# Altium PCB Fastino-DIOT.PCBDOC (part 21 of 22)
Units mm, origin at the board's own origin, x right, y up, seen from the top; angles counter-clockwise.
Board outline 222.63 x 100.1 mm, 8 copper layers (L1, L2, L3, P4, L5, L6, P7, L8), stack 1.563 mm thick; 1030 components, 787 nets, 3312 pads, 2498 vias.
Unrouted connection lines stored in the file: 424.
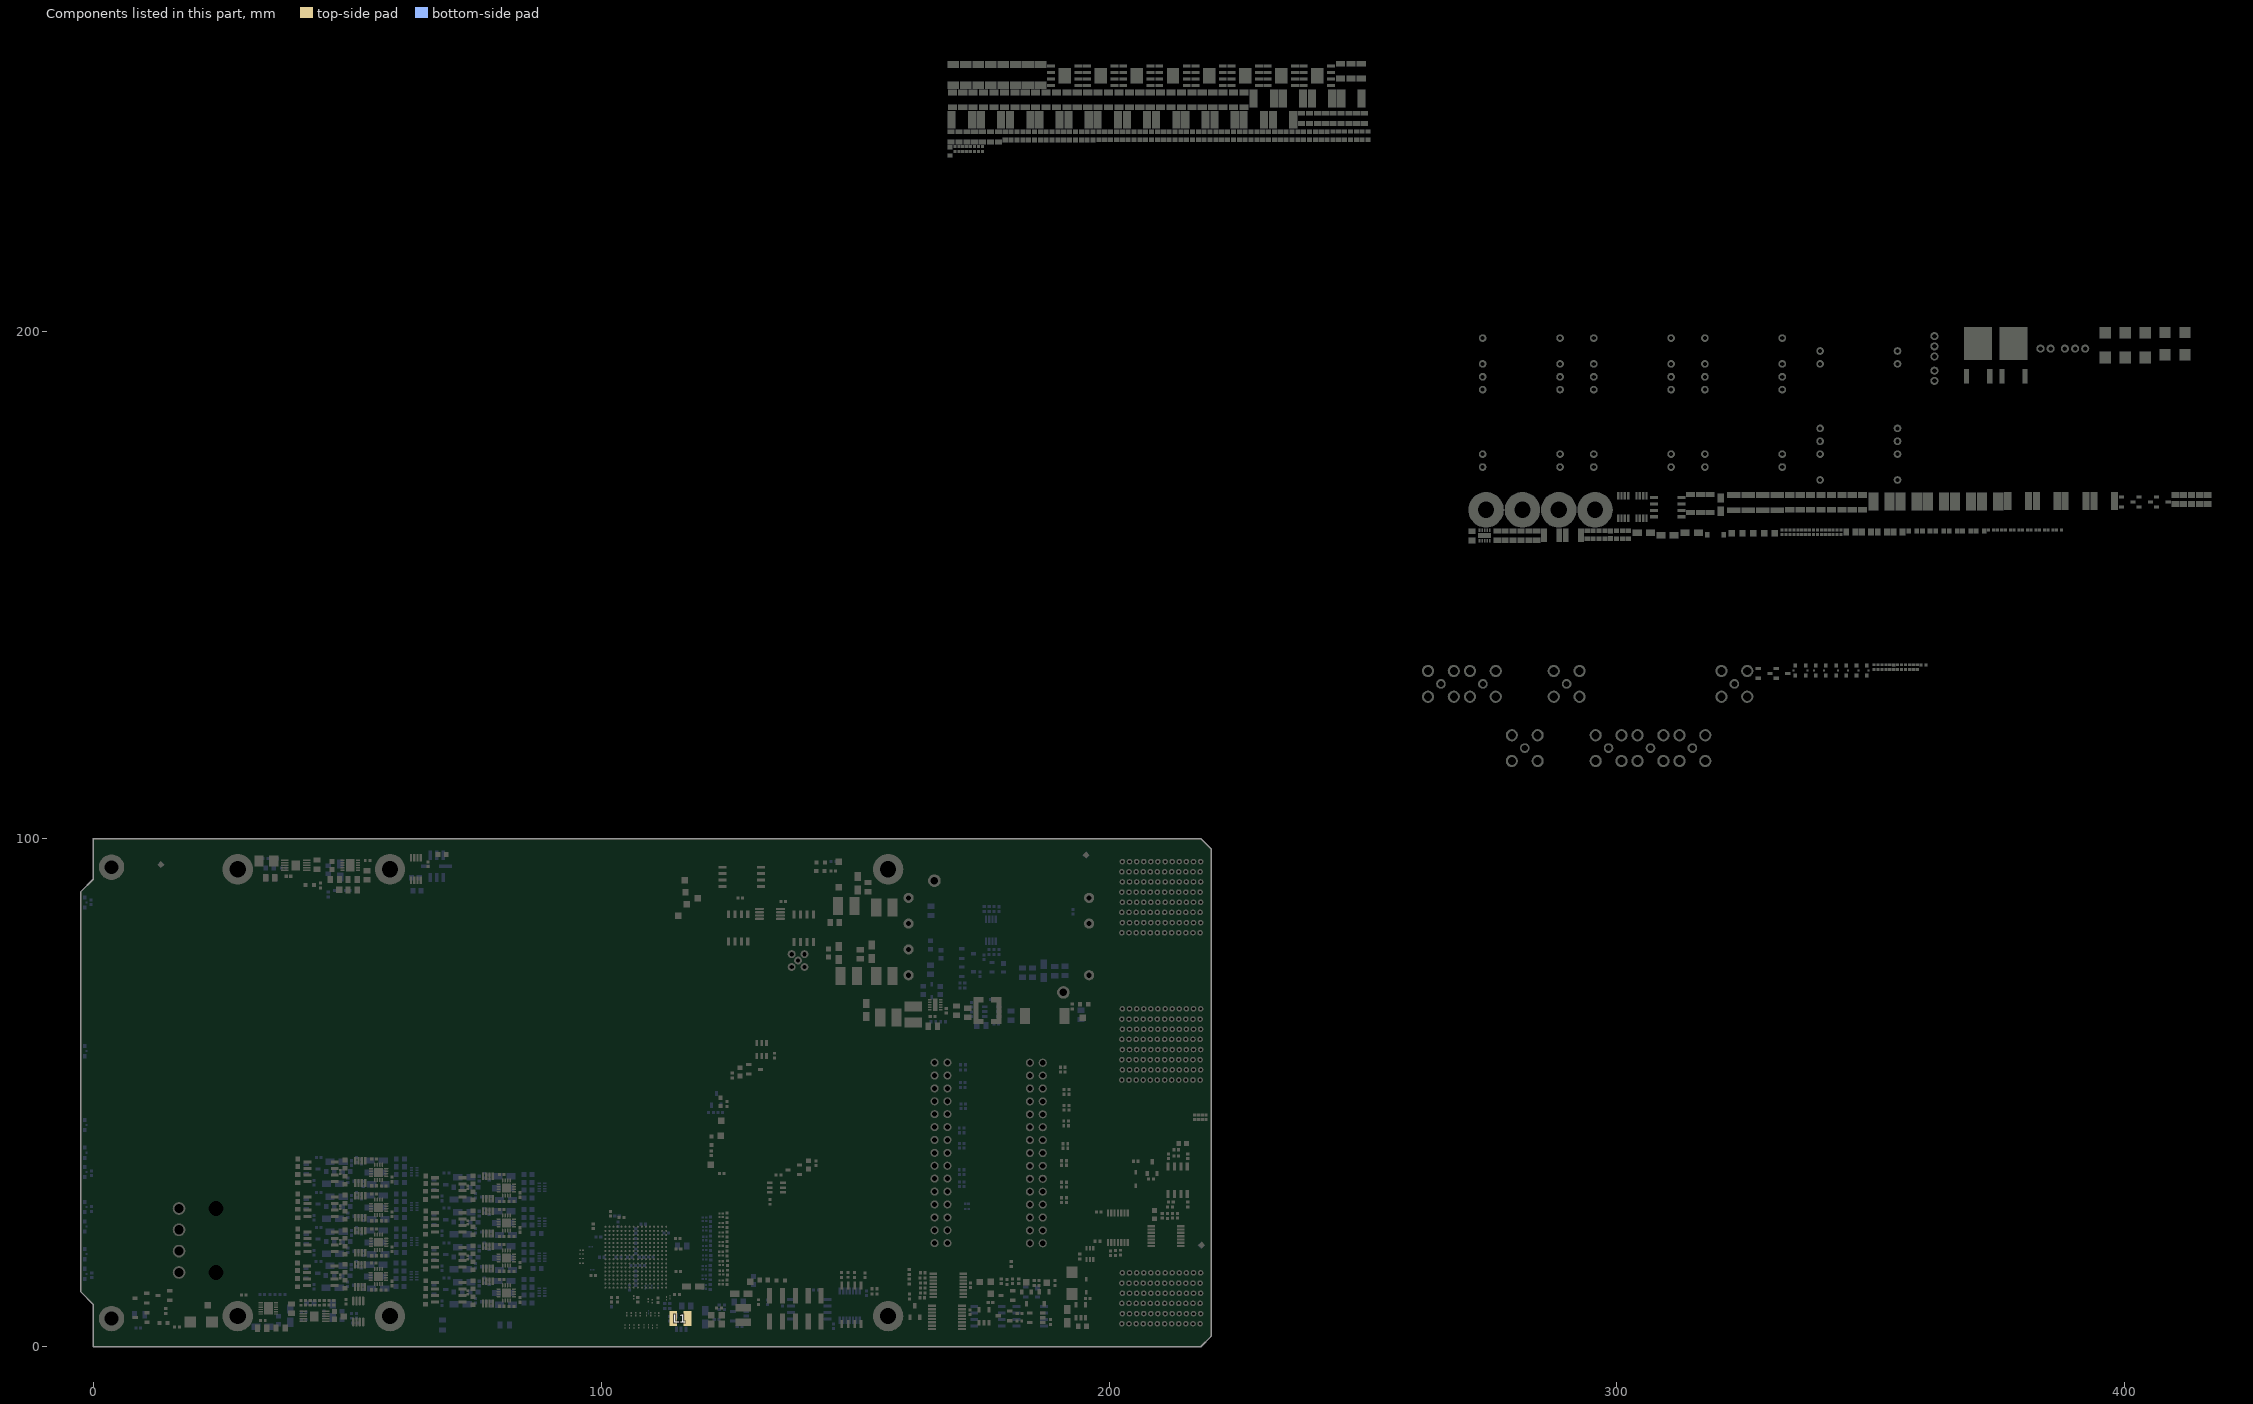
[diagram p27: the components of this part, seen from the top]

## Via types
v1: diameter 0.4, hole 0.2, L1 to L8, tented both sides, 1919 vias
v2: diameter 0.5, hole 0.2, L1 to L8, tented both sides, 270 vias
v3: diameter 0.4, hole 0.2, L1 to L8, 170 vias
v4: diameter 0.7, hole 0.4, L1 to L8, tented both sides, 110 vias
v5: diameter 0.7, hole 0.4, L1 to L8, 29 vias

## Nets (pads, with @x,y where several pads share a name; then routed paths per layer and width w, separated by ;. In a path a pad name is that pad's centre, name@x,y a point inside that pad or via, vN(x,y) a via of type N, cw(c..) or ccw(c..) an arc to the next point about the centre after c; other vN are vias at no path point) (continued)
copper on no net: (continued)
  L8 w0.203: 49.976,40.205 49.884,40.298 49.884,40.439 49.851,40.473 49.851,41.908 49.985,42.041 50.613,42.041 50.626,42.054 51.111,42.054 51.407,41.758 51.407,41.354 v2(51.464,41.298) ; 50.003,47.138 49.91,47.23 49.91,47.372 49.877,47.405 49.877,48.84 50.011,48.974 50.639,48.974 50.652,48.987 51.137,48.987 51.433,48.691 51.433,48.287 v2(51.49,48.23) ; 50.003,54.025 49.91,54.117 49.91,54.258 49.877,54.292 49.877,55.727 50.011,55.861 50.639,55.861 50.652,55.874 51.137,55.874 51.433,55.577 51.433,55.174 v2(51.49,55.117) ; 50.003,60.911 49.91,61.004 49.91,61.145 49.877,61.178 49.877,62.613 50.011,62.747 50.639,62.747 50.652,62.76 51.137,62.76 51.433,62.464 51.433,62.06 v2(51.49,62.003) ; 50.003,67.798 49.91,67.89 49.91,68.032 49.877,68.065 49.877,69.5 50.011,69.634 50.639,69.634 50.652,69.647 51.137,69.647 51.433,69.351 51.433,68.947 v2(51.49,68.89) ; 50.003,74.684 49.91,74.777 49.91,74.918 49.877,74.952 49.877,76.387 50.011,76.52 50.639,76.52 50.652,76.533 51.137,76.533 51.433,76.237 51.433,75.833 v2(51.49,75.777) ; 50.003,81.571 49.91,81.663 49.91,81.805 49.877,81.838 49.877,83.273 50.011,83.407 50.639,83.407 50.652,83.42 51.137,83.42 51.433,83.124 51.433,82.72 v2(51.49,82.663) ; 53.141,38.594 53.493,38.946 53.536,38.946 53.679,39.089 53.679,39.748 53.882,39.951 v1(54.36,39.951) v1@54.385,39.951 ; 53.167,45.527 53.519,45.879 53.562,45.879 53.705,46.022 53.705,46.681 53.908,46.884 v1(54.386,46.884) v1@54.411,46.884 ; 53.167,52.413 53.519,52.765 53.562,52.765 53.705,52.909 53.705,53.567 53.908,53.771 v1(54.386,53.771) v1@54.411,53.771 ; 53.167,59.3 53.519,59.652 53.562,59.652 53.705,59.795 53.705,60.454 53.908,60.657 v1(54.386,60.657) v1@54.411,60.657 ; 53.167,66.187 53.519,66.539 53.562,66.539 53.705,66.682 53.705,67.341 53.908,67.544 v1(54.386,67.544) v1@54.411,67.544 ; 53.167,73.073 53.519,73.425 53.562,73.425 53.705,73.568 53.705,74.227 53.908,74.43 v1(54.386,74.43) v1@54.411,74.43 ; 53.167,79.96 53.519,80.312 53.562,80.312 53.705,80.455 53.705,81.114 53.908,81.317 v1(54.386,81.317) v1@54.411,81.317 ; 53.832,7.185 53.832,6.666 v1(53.909,6.589) ; 53.894,8.225 55.545,8.225 56.667,9.347 60.3,9.347 61.629,8.018 61.629,4.758 61.417,4.546 61.417,4.451 61.282,4.316 v1(61.282,3.65) ; v3@55.503,41.78 55.537,41.814 55.537,42.266 56.794,43.522 57.069,43.522 ; v3@55.529,48.713 55.563,48.747 55.563,49.198 56.82,50.455 57.095,50.455 ; v3@55.529,55.599 55.563,55.634 55.563,56.085 56.82,57.341 57.095,57.341 ; v3@55.529,62.486 55.563,62.52 55.563,62.971 56.82,64.228 57.095,64.228 ; v3@55.529,69.373 55.563,69.407 55.563,69.858 56.82,71.115 57.095,71.115 ; v3@55.529,76.259 55.563,76.293 55.563,76.745 56.82,78.001 57.095,78.001 ; v3@55.529,83.146 55.563,83.18 55.563,83.631 56.82,84.888 57.095,84.888 ; v1(70.409,3.505) 71.247,3.505 71.619,3.877 71.619,5.105 ; 75.127,71.548 75.035,71.641 75.035,71.782 75.002,71.815 75.002,73.25 75.136,73.384 75.764,73.384 75.777,73.397 76.262,73.397 76.558,73.101 76.558,72.697 v2(76.615,72.64) ; 75.127,78.435 75.035,78.527 75.035,78.669 75.002,78.702 75.002,80.137 75.136,80.271 75.764,80.271 75.777,80.284 76.262,80.284 76.558,79.988 76.558,79.584 v2(76.615,79.527) ; 75.127,85.321 75.035,85.414 75.035,85.555 75.002,85.589 75.002,87.024 75.136,87.158 75.764,87.158 75.777,87.17 76.262,87.17 76.558,86.874 76.558,86.47 v2(76.615,86.414) ; 75.128,37.133 75.035,37.225 75.035,37.366 75.002,37.4 75.002,38.835 75.136,38.969 75.764,38.969 75.777,38.982 76.262,38.982 76.558,38.685 76.558,38.282 v2(76.615,38.225) ; 75.128,44.019 75.035,44.112 75.035,44.253 75.002,44.286 75.002,45.721 75.136,45.855 75.764,45.855 75.777,45.868 76.262,45.868 76.558,45.572 76.558,45.168 v2(76.615,45.111) ; 75.128,50.906 75.035,50.998 75.035,51.14 75.002,51.173 75.002,52.608 75.136,52.742 75.764,52.742 75.777,52.755 76.262,52.755 76.558,52.459 76.558,52.055 v2(76.615,51.998) ; 75.128,57.792 75.035,57.885 75.035,58.026 75.002,58.06 75.002,59.495 75.136,59.629 75.764,59.629 75.777,59.641 76.262,59.641 76.558,59.345 76.558,58.941 v2(76.615,58.885) ; 75.128,64.679 75.035,64.771 75.035,64.913 75.002,64.946 75.002,66.381 75.136,66.515 75.764,66.515 75.777,66.528 76.262,66.528 76.558,66.232 76.558,65.828 v2(76.615,65.771) ; v1(75.5,4.064) 76.338,4.064 76.364,4.09 ; 76.364,4.928 76.364,4.09 ; 76.451,4.003 76.364,4.09 ; 76.538,3.5 76.558,3.5 76.746,3.688 76.746,3.708 ; 78.292,35.521 78.644,35.874 78.687,35.874 78.83,36.017 78.83,36.675 79.033,36.879 v1(79.511,36.879) v1@79.536,36.879 ; 78.292,42.408 78.644,42.76 78.687,42.76 78.83,42.903 78.83,43.562 79.033,43.765 v1(79.511,43.765) v1@79.536,43.765 ; 78.292,49.295 78.644,49.647 78.687,49.647 78.83,49.79 78.83,50.449 79.033,50.652 79.509,50.652 v1(79.511,50.654) ; 78.292,56.181 78.644,56.533 78.687,56.533 78.83,56.677 78.83,57.335 79.033,57.538 v1(79.511,57.538) v1@79.536,57.538 ; 78.292,63.068 78.644,63.42 78.687,63.42 78.83,63.563 78.83,64.222 79.033,64.425 v1(79.511,64.425) v1@79.536,64.425 ; 78.291,69.937 78.644,70.289 78.687,70.289 78.83,70.432 78.83,71.091 79.033,71.294 79.501,71.294 v1(79.511,71.304) ; 78.291,76.824 78.644,77.176 78.687,77.176 78.83,77.319 78.83,77.978 79.033,78.181 v1(79.511,78.181) v1@79.536,78.181 ; 78.291,83.71 78.644,84.062 78.687,84.062 78.83,84.206 78.83,84.864 79.033,85.067 v1(79.511,85.067) v1@79.536,85.067 ; v3@80.654,38.707 80.688,38.742 80.688,39.193 81.945,40.45 82.22,40.45 ; v3@80.654,45.594 80.688,45.628 80.688,46.079 81.945,47.336 82.22,47.336 ; v3@80.654,52.481 80.688,52.515 80.688,52.966 81.945,54.223 82.22,54.223 ; v3@80.654,59.367 80.688,59.402 80.688,59.853 81.945,61.109 82.22,61.109 ; v3@80.654,66.254 80.688,66.288 80.688,66.739 81.945,67.996 82.22,67.996 ; v3@80.654,73.123 80.688,73.157 80.688,73.608 81.945,74.865 82.22,74.865 ; v3@80.654,80.01 80.688,80.044 80.688,80.495 81.945,81.752 82.22,81.752 ; v3@80.654,86.896 80.688,86.93 80.688,87.382 81.945,88.638 82.22,88.638 ; 101.003,31.772 100.91,31.865 100.91,32.006 100.877,32.04 100.877,33.475 101.011,33.609 101.639,33.609 101.652,33.621 102.137,33.621 102.433,33.325 102.433,32.921 v2(102.49,32.865) ; 101.003,38.659 100.91,38.751 100.91,38.893 100.877,38.926 100.877,40.361 101.011,40.495 101.639,40.495 101.652,40.508 102.137,40.508 102.433,40.212 102.433,39.808 v2(102.49,39.751) ; 101.003,45.546 100.91,45.638 100.91,45.779 100.877,45.813 100.877,47.248 101.011,47.382 101.639,47.382 101.652,47.395 102.137,47.395 102.433,47.098 102.433,46.695 v2(102.49,46.638) ; 101.003,52.432 100.91,52.525 100.91,52.666 100.877,52.699 100.877,54.134 101.011,54.268 101.639,54.268 101.652,54.281 102.137,54.281 102.433,53.985 102.433,53.581 v2(102.49,53.524) ; 101.003,59.319 100.91,59.411 100.91,59.553 100.877,59.586 100.877,61.021 101.011,61.155 101.639,61.155 101.652,61.168 102.137,61.168 102.433,60.872 102.433,60.468 v2(102.49,60.411) ; 101.003,66.205 100.91,66.298 100.91,66.439 100.877,66.473 100.877,67.908 101.011,68.041 101.639,68.041 101.652,68.054 102.137,68.054 102.433,67.758 102.433,67.354 v2(102.49,67.298) ; 101.003,73.092 100.91,73.184 100.91,73.326 100.877,73.359 100.877,74.794 101.011,74.928 101.639,74.928 101.652,74.941 102.137,74.941 102.433,74.645 102.433,74.241 v2(102.49,74.184) ; 101.003,79.979 100.91,80.071 100.91,80.212 100.877,80.246 100.877,81.681 101.011,81.815 101.639,81.815 101.652,81.828 102.137,81.828 102.433,81.531 102.433,81.128 v2(102.49,81.071) ; 101.003,86.865 100.91,86.958 100.91,87.099 100.877,87.132 100.877,88.567 101.011,88.701 101.639,88.701 101.652,88.714 102.137,88.714 102.433,88.418 102.433,88.014 v2(102.49,87.957) ; 104.167,30.161 104.519,30.513 104.562,30.513 104.705,30.657 104.705,31.315 104.908,31.518 v1(105.415,31.518) ; 104.167,37.048 104.519,37.4 104.562,37.4 104.705,37.543 104.705,38.202 104.908,38.405 v1(105.386,38.405) v1@105.411,38.405 ; 104.167,43.934 104.519,44.286 104.562,44.286 104.705,44.43 104.705,45.088 104.908,45.292 v1(105.386,45.292) v1@105.411,45.292 ; 104.167,50.821 104.519,51.173 104.562,51.173 104.705,51.316 104.705,51.975 104.908,52.178 v1(105.386,52.179) ; 104.167,57.708 104.519,58.06 104.562,58.06 104.705,58.203 104.705,58.862 104.908,59.065 v1(105.386,59.065) v1@105.411,59.065 ; 104.167,64.594 104.519,64.946 104.562,64.946 104.705,65.089 104.705,65.748 104.908,65.951 v1(105.386,65.951) v1@105.411,65.951 ; 104.167,71.481 104.519,71.833 104.562,71.833 104.705,71.976 104.705,72.635 104.908,72.838 v1(105.386,72.838) v1@105.411,72.838 ; 104.167,78.367 104.519,78.719 104.562,78.719 104.705,78.863 104.705,79.521 104.908,79.725 v1(105.386,79.725) v1@105.411,79.725 ; 104.167,85.254 104.519,85.606 104.562,85.606 104.705,85.749 104.705,86.408 104.908,86.611 v1(105.386,86.611) v1@105.411,86.611 ; v3@106.529,33.347 106.563,33.381 106.563,33.833 107.82,35.089 108.095,35.089 ; v3@106.529,40.234 106.563,40.268 106.563,40.719 107.82,41.976 108.095,41.976 ; v3@106.529,47.12 106.563,47.155 106.563,47.606 107.82,48.863 108.095,48.863 ; v3@106.529,54.007 106.563,54.041 106.563,54.492 107.82,55.749 108.095,55.749 ; v3@106.529,60.894 106.563,60.928 106.563,61.379 107.82,62.636 108.095,62.636 ; v3@106.529,67.78 106.563,67.814 106.563,68.266 107.82,69.522 108.095,69.522 ; v3@106.529,74.667 106.563,74.701 106.563,75.152 107.82,76.409 108.095,76.409 ; v3@106.529,81.553 106.563,81.588 106.563,82.039 107.82,83.295 108.095,83.295 ; v3@106.529,88.44 106.563,88.474 106.563,88.925 107.82,90.182 108.095,90.182
  L8 w0.254: v1(1.569,57.175) 2.524,57.175 2.759,57.41 2.759,58.355 2.803,58.399 ; v1(1.569,58.395) 2.149,58.395 2.153,58.399 ; v1(2.422,78.486) 2.874,78.486 2.904,78.516 ; 3.023,45.314 3.036,45.301 3.036,43.857 3.049,43.844 ; v1(4.258,34.773) 4.258,34.798 4.44,34.981 4.44,35.542 4.445,35.547 ; 4.349,37.944 4.397,37.896 4.397,36.535 4.445,36.487 ; 4.349,43.844 4.359,43.854 4.359,45.291 4.369,45.301 ; 5.649,37.944 5.694,37.898 5.694,36.533 5.74,36.487 ; 5.649,43.844 5.656,43.852 5.656,45.344 5.664,45.352 ; 6.949,37.944 6.98,37.913 6.98,36.543 7.01,36.513 ; 6.949,43.844 6.992,43.888 6.992,45.283 7.036,45.326 ; 8.104,84.416 8.104,83.376 8.179,83.301 v1(8.179,83.261) ; 8.754,78.516 8.758,78.511 v1(9.347,78.511) ; 42.142,40.764 42.209,40.698 42.354,40.698 43.453,39.599 43.463,39.599 ; 42.168,42.593 45.419,42.593 45.8,42.974 ; 42.168,47.697 42.235,47.63 42.38,47.63 43.479,46.531 43.489,46.531 ; 42.168,54.583 42.235,54.517 42.38,54.517 43.479,53.418 43.489,53.418 ; 42.168,61.47 42.235,61.404 42.38,61.404 43.479,60.304 43.489,60.304 ; 42.168,68.357 42.235,68.29 42.38,68.29 43.479,67.191 43.489,67.191 ; 42.168,75.243 42.235,75.177 42.38,75.177 43.479,74.078 43.489,74.078 ; 42.168,82.13 42.235,82.063 42.38,82.063 43.479,80.964 43.489,80.964 ; 42.194,49.526 45.445,49.526 45.826,49.907 ; 42.194,56.412 45.445,56.412 45.826,56.793 ; 42.194,63.299 45.445,63.299 45.826,63.68 ; 42.194,70.185 45.445,70.185 45.826,70.566 ; 42.194,77.072 45.445,77.072 45.826,77.453 ; 42.194,83.959 45.445,83.959 45.826,84.34 ; 43.539,39.774 44.444,39.774 44.785,39.433 45.572,39.433 46.07,38.935 ; 43.565,46.706 44.47,46.706 44.811,46.366 45.598,46.366 46.096,45.868 ; 43.565,53.593 44.47,53.593 44.811,53.253 45.598,53.253 46.096,52.755 ; 43.565,60.479 44.47,60.479 44.811,60.139 45.598,60.139 46.096,59.641 ; 43.565,67.366 44.47,67.366 44.811,67.026 45.598,67.026 46.096,66.528 ; 43.565,74.253 44.47,74.253 44.811,73.912 45.598,73.912 46.096,73.414 ; 43.565,81.139 44.47,81.139 44.811,80.799 45.598,80.799 46.096,80.301 ; 44.866,44.089 45.519,44.089 46.075,43.533 46.206,43.533 ; 44.892,51.021 45.545,51.021 46.101,50.465 46.232,50.465 ; 44.892,57.908 45.545,57.908 46.101,57.352 46.232,57.352 ; 44.892,64.795 45.545,64.795 46.101,64.239 46.232,64.239 ; 44.892,71.681 45.545,71.681 46.101,71.125 46.232,71.125 ; 44.892,78.568 45.545,78.568 46.101,78.012 46.232,78.012 ; 44.892,85.454 45.545,85.454 46.101,84.898 46.232,84.898 ; v2(45.749,40.282) 46.436,40.282 47.375,41.221 47.375,41.272 ; v2(45.775,47.214) 46.462,47.214 47.401,48.153 47.401,48.205 ; v2(45.775,54.101) 46.462,54.101 47.401,55.04 47.401,55.091 ; v2(45.775,60.987) 46.462,60.987 47.401,61.926 47.401,61.978 ; v2(45.775,67.874) 46.462,67.874 47.401,68.813 47.401,68.865 ; v2(45.775,74.761) 46.462,74.761 47.401,75.699 47.401,75.751 ; v2(45.775,81.647) 46.462,81.647 47.401,82.586 47.401,82.638 ; 46.511,39.316 46.511,39.393 47.097,39.978 48.407,39.978 48.453,39.932 49.91,39.932 49.976,39.999 49.976,40.205 ; 46.537,46.249 46.537,46.325 47.237,47.025 48.055,47.025 48.214,46.866 48.529,46.866 48.58,46.815 48.981,46.815 49.191,47.025 49.936,47.025 49.936,47.071 50.003,47.138 ; 46.537,53.136 46.537,53.212 47.094,53.769 48.508,53.769 48.522,53.756 49.936,53.756 50.003,53.823 50.003,54.025 ; 46.537,60.022 46.537,60.098 47.081,60.642 48.035,60.642 48.095,60.582 49.049,60.582 49.222,60.755 49.936,60.755 50.003,60.822 50.003,60.911 ; 46.537,66.909 46.537,66.985 47.081,67.529 48.033,67.529 48.096,67.466 49.048,67.466 49.224,67.642 49.936,67.642 50.003,67.709 50.003,67.798 ; 46.537,73.795 46.537,73.872 47.081,74.416 48.024,74.416 48.091,74.349 49.034,74.349 49.213,74.529 49.936,74.529 50.003,74.596 50.003,74.684 ; 46.537,80.682 46.537,80.758 47.123,81.344 48.499,81.344 48.559,81.283 49.936,81.283 50.003,81.35 50.003,81.571 ; 46.841,43.152 47.006,43.152 47.758,42.4 50.209,42.4 50.219,42.41 50.646,42.41 50.829,42.593 ; 46.867,50.084 47.032,50.084 47.784,49.332 50.235,49.332 50.245,49.343 50.672,49.343 50.855,49.526 ; 46.867,56.971 47.032,56.971 47.784,56.219 50.235,56.219 50.245,56.229 50.672,56.229 50.855,56.412 ; 46.867,63.858 47.032,63.858 47.784,63.106 50.235,63.106 50.245,63.116 50.672,63.116 50.855,63.299 ; 46.867,70.744 47.032,70.744 47.784,69.992 50.235,69.992 50.245,70.002 50.672,70.002 50.855,70.185 ; 46.867,77.631 47.032,77.631 47.784,76.879 50.235,76.879 50.245,76.889 50.672,76.889 50.855,77.072 ; 46.867,84.517 47.032,84.517 47.784,83.765 50.235,83.765 50.245,83.776 50.672,83.776 50.855,83.959 ; v1(48.035,43.838) 48.075,43.838 48.135,43.777 48.706,43.777 49.204,43.279 ; v1(48.061,50.77) 48.101,50.77 48.162,50.709 48.732,50.709 49.23,50.211 ; v1(48.061,57.657) 48.101,57.657 48.162,57.596 48.732,57.596 49.23,57.098 ; v1(48.061,64.543) 48.101,64.543 48.162,64.483 48.732,64.483 49.23,63.985 ; v1(48.061,71.43) 48.101,71.43 48.162,71.369 48.732,71.369 49.23,70.871 ; v1(48.061,78.317) 48.101,78.317 48.162,78.256 48.732,78.256 49.23,77.758 ; v1(48.061,85.203) 48.101,85.203 48.162,85.142 48.732,85.142 49.23,84.644 ; v1(48.641,40.386) 48.641,40.426 48.706,40.491 48.706,41.41 48.823,41.526 ; v1(48.666,74.803) 48.666,74.843 48.732,74.908 48.732,75.889 48.849,76.005 ; 48.721,39.215 48.746,39.189 50.093,39.189 50.429,39.525 50.508,39.525 50.657,39.674 50.657,39.983 50.776,40.102 50.776,40.417 50.821,40.462 v1@50.851,40.462 ; 48.747,46.147 48.772,46.122 50.119,46.122 ; 48.747,53.034 48.772,53.009 50.119,53.009 ; 48.747,59.921 48.772,59.895 50.119,59.895 ; 48.747,66.807 48.772,66.782 50.119,66.782 ; 48.747,73.694 48.772,73.668 50.119,73.668 ; 48.747,80.58 48.772,80.555 50.119,80.555 ; v1(48.768,47.269) 48.768,48.057 48.971,48.26 ; v1(48.768,54.305) 48.768,54.915 48.971,55.118 ; v1(48.768,61.036) 48.768,62.031 48.852,62.114 ; v1(48.768,67.92) 48.768,68.799 48.852,68.883 ; v1(48.768,81.737) 48.768,82.73 48.852,82.814 ; 49.889,43.736 49.889,43.58 49.977,43.493 50.829,43.493 ; 49.915,50.669 49.915,50.513 50.003,50.426 50.855,50.426 ; 49.915,57.555 49.915,57.399 50.003,57.312 50.855,57.312 ; 49.915,64.442 49.915,64.286 50.003,64.199 50.855,64.199 ; 49.915,71.328 49.915,71.173 50.003,71.085 50.855,71.085 ; 49.915,78.215 49.915,78.059 50.003,77.972 50.855,77.972 ; 49.915,85.102 49.915,84.946 50.003,84.859 50.855,84.859 ; 50.067,39.139 50.105,39.177 ; 50.093,46.071 50.131,46.109 ; 50.093,52.958 50.267,53.132 ; 50.093,59.844 50.131,59.882 ; 50.093,66.731 50.267,66.905 ; 50.093,73.618 50.267,73.792 ; 50.093,80.504 50.267,80.678 ; 50.119,46.122 50.455,46.458 50.534,46.458 50.683,46.607 50.683,46.864 50.802,46.983 50.802,47.398 v1@50.825,47.422 ; 50.119,59.895 50.455,60.231 50.534,60.231 50.683,60.38 50.683,60.637 50.802,60.756 50.802,61.14 v1@50.825,61.163 ; 50.322,53.186 50.524,53.186 50.683,53.345 50.683,53.78 50.802,53.899 50.802,54.251 v1@50.855,54.304 ; 50.322,66.96 50.524,66.96 50.683,67.118 50.683,67.553 50.802,67.673 50.802,68.024 v1@50.855,68.077 ; 50.322,73.846 50.524,73.846 50.683,74.004 50.683,74.44 50.802,74.559 50.802,74.91 v1@50.855,74.964 ; 50.322,80.733 50.524,80.733 50.683,80.891 50.683,81.327 50.802,81.446 50.802,81.797 v1@50.855,81.85 ; 50.626,41.171 50.807,40.99 51.059,40.99 51.255,40.794 51.267,40.794 51.448,40.612 v2(51.515,40.612) ; 50.652,48.103 50.833,47.922 51.085,47.922 51.281,47.726 51.293,47.726 51.474,47.544 v2(51.541,47.544) ; 50.652,54.99 50.833,54.809 51.085,54.809 51.281,54.613 51.293,54.613 51.474,54.431 v2(51.541,54.431) ; 50.652,61.876 50.833,61.696 51.085,61.696 51.281,61.499 51.293,61.499 51.474,61.318 v2(51.541,61.318) ; 50.652,68.763 50.833,68.582 51.085,68.582 51.281,68.386 51.293,68.386 51.474,68.204 v2(51.541,68.204) ; 50.652,75.65 50.833,75.469 51.085,75.469 51.281,75.273 51.293,75.273 51.474,75.091 v2(51.541,75.091) ; 50.652,82.536 50.833,82.355 51.085,82.355 51.281,82.159 51.293,82.159 51.474,81.977 v2(51.541,81.977) ; 50.804,42.491 50.832,42.519 51.563,42.519 v1(51.591,42.491) ; v1@50.827,61.162 v1@50.855,61.191 ; 50.83,49.424 50.858,49.452 51.589,49.452 v1(51.617,49.424) ; 50.83,56.311 50.858,56.338 51.589,56.338 v1(51.617,56.311) ; 50.83,63.197 50.858,63.225 51.589,63.225 v1(51.617,63.197) ; 50.83,70.084 50.858,70.112 51.589,70.112 v1(51.617,70.084) ; 50.83,76.97 50.858,76.998 51.589,76.998 v1(51.617,76.97) ; 50.83,83.857 50.858,83.885 51.589,83.885 v1(51.617,83.857) ; v1@50.842,47.405 v1@50.855,47.417 ; 51.595,9.449 51.595,7.935 v1@51.841,7.689 ; v1(51.851,7.533) 52.199,7.185 52.892,7.185 ; v1(52.658,42.085) 52.686,42.113 52.686,42.697 52.785,42.796 ; v1(52.684,49.018) 52.712,49.045 52.712,49.63 52.811,49.729 ; v1(52.684,55.904) 52.712,55.932 52.712,56.516 52.811,56.615 ; v1(52.684,62.791) 52.712,62.819 52.712,63.403 52.811,63.502 ; v1(52.684,69.677) 52.712,69.705 52.712,70.289 52.811,70.389 ; v1(52.684,76.564) 52.712,76.592 52.712,77.176 52.811,77.275 ; v1(52.684,83.451) 52.712,83.478 52.712,84.063 52.811,84.162 ; 52.963,43.812 52.963,43.727 52.968,43.722 54.269,43.722 ; 52.989,50.745 52.989,50.659 52.994,50.654 54.296,50.654 ; 52.989,57.631 52.989,57.546 52.994,57.541 54.296,57.541 ; 52.989,64.518 52.989,64.433 52.994,64.427 54.296,64.427 ; 52.989,71.405 52.989,71.319 52.994,71.314 54.296,71.314 ; 52.989,78.291 52.989,78.206 52.994,78.201 54.296,78.201 ; 52.989,85.178 52.989,85.092 52.994,85.087 54.296,85.087 ; v1(53.039,41.323) 53.011,41.295 53.011,40.838 52.785,40.612 52.785,39.85 53.141,39.494 53.324,39.677 53.324,40.185 53.482,40.344 53.482,40.725 53.623,40.866 ; v1(53.065,48.256) 53.037,48.228 53.037,47.77 52.811,47.544 52.811,46.782 53.167,46.427 53.35,46.61 53.35,47.118 53.508,47.276 53.508,47.657 53.649,47.798 ; v1(53.065,55.142) 53.037,55.114 53.037,54.657 52.811,54.431 52.811,53.669 53.167,53.313 53.35,53.496 53.35,54.004 53.508,54.163 53.508,54.544 53.649,54.685 ; v1(53.065,62.029) 53.037,62.001 53.037,61.544 52.811,61.318 52.811,60.556 53.167,60.2 53.35,60.383 53.35,60.891 53.508,61.049 53.508,61.43 53.649,61.572 ; v1(53.065,68.915) 53.037,68.887 53.037,68.43 52.811,68.204 52.811,67.442 53.167,67.087 53.35,67.27 53.35,67.778 53.508,67.936 53.508,68.317 53.649,68.458 ; v1(53.065,75.802) 53.037,75.774 53.037,75.317 52.811,75.091 52.811,74.329 53.167,73.973 53.35,74.156 53.35,74.664 53.508,74.823 53.508,75.204 53.649,75.345 ; v1(53.065,82.689) 53.037,82.661 53.037,82.203 52.811,81.977 52.811,81.215 53.167,80.86 53.35,81.043 53.35,81.551 53.508,81.709 53.508,82.09 53.649,82.231 ; 55.452,39.164 55.499,39.211 55.499,39.262 55.499,40.463 v3(55.499,40.495) ; 55.478,46.097 55.525,46.144 55.525,46.195 55.525,47.395 v3(55.525,47.427) ; 55.478,52.983 55.525,53.031 55.525,53.081 55.525,54.282 v3(55.525,54.314) ; 55.478,59.87 55.525,59.917 55.525,59.968 55.525,61.169 v3(55.525,61.2) ; 55.478,66.756 55.525,66.804 55.525,66.855 55.525,68.055 v3(55.525,68.087) ; 55.478,73.643 55.525,73.69 55.525,73.741 55.525,74.942 v3(55.525,74.974) ; 55.478,80.53 55.525,80.577 55.525,80.628 55.525,81.828 v3(55.525,81.86) ; 63.809,40.561 63.842,40.594 63.842,41.348 ; 63.835,47.494 63.868,47.527 63.868,48.281 ; 63.835,54.38 63.868,54.413 63.868,55.168 ; 63.835,61.267 63.868,61.3 63.868,62.054 ; 63.835,68.153 63.868,68.187 63.868,68.941 ; 63.835,75.04 63.868,75.073 63.868,75.827 ; 63.835,81.927 63.868,81.96 63.868,82.714 ; 63.842,42.077 63.842,41.348 ; 63.868,49.01 63.868,48.281 ; 63.868,55.896 63.868,55.168 ; 63.868,62.783 63.868,62.054 ; 63.868,69.669 63.868,68.941 ; 63.868,76.556 63.868,75.827 ; 63.868,83.443 63.868,82.714 ; v2(64.291,41.323) 63.867,41.323 63.842,41.348 ; v2(64.317,48.256) 63.893,48.256 63.868,48.281 ; v2(64.317,55.142) 63.893,55.142 63.868,55.168 ; v2(64.317,62.029) 63.893,62.029 63.868,62.054 ; v2(64.317,68.915) 63.893,68.915 63.868,68.941 ; v2(64.317,75.802) 63.893,75.802 63.868,75.827 ; v2(64.317,82.689) 63.893,82.689 63.868,82.714 ; 67.293,37.691 67.36,37.625 67.505,37.625 68.604,36.526 68.614,36.526 ; 67.293,44.578 67.36,44.512 67.505,44.512 68.604,43.412 68.614,43.412 ; 67.293,51.465 67.36,51.398 67.505,51.398 68.604,50.299 68.614,50.299 ; 67.293,58.351 67.36,58.285 67.505,58.285 68.604,57.186 68.614,57.186 ; 67.293,65.238 67.36,65.172 67.505,65.172 68.604,64.072 68.614,64.072 ; 67.293,72.107 67.36,72.041 67.505,72.041 68.604,70.941 68.614,70.941 ; 67.293,78.994 67.36,78.927 67.505,78.927 68.604,77.828 68.614,77.828 ; 67.293,85.88 67.36,85.814 67.505,85.814 68.604,84.715 68.614,84.715 ; 67.319,39.52 70.57,39.52 70.951,39.901 ; 67.319,46.407 70.57,46.407 70.951,46.788 ; 67.319,53.293 70.57,53.293 70.951,53.674 ; 67.319,60.18 70.57,60.18 70.951,60.561 ; 67.319,67.067 70.57,67.067 70.951,67.448 ; 67.319,73.936 70.57,73.936 70.951,74.317 ; 67.319,80.822 70.57,80.822 70.951,81.203 ; 67.319,87.709 70.57,87.709 70.951,88.09 ; 68.69,36.701 69.595,36.701 69.936,36.361 70.723,36.361 71.221,35.863 ; 68.69,43.587 69.595,43.587 69.936,43.247 70.723,43.247 71.221,42.749 ; 68.69,50.474 69.595,50.474 69.936,50.134 70.723,50.134 71.221,49.636 ; 68.69,57.361 69.595,57.361 69.936,57.02 70.723,57.02 71.221,56.522 ; 68.69,64.247 69.595,64.247 69.936,63.907 70.723,63.907 71.221,63.409 ; 68.69,71.116 69.595,71.116 69.935,70.776 70.723,70.776 71.221,70.278 ; 68.69,78.003 69.595,78.003 69.935,77.663 70.723,77.663 71.221,77.165 ; 68.69,84.89 69.595,84.89 69.935,84.549 70.723,84.549 71.221,84.051 ; 70.017,41.016 70.67,41.016 71.226,40.46 71.357,40.46 ; 70.017,47.903 70.67,47.903 71.226,47.347 71.357,47.347 ; 70.017,54.789 70.67,54.789 71.226,54.233 71.357,54.233 ; 70.017,61.676 70.67,61.676 71.226,61.12 71.357,61.12 ; 70.017,68.562 70.67,68.562 71.226,68.006 71.357,68.006 ; 70.017,75.432 70.669,75.432 71.225,74.876 71.357,74.876 ; 70.017,82.318 70.669,82.318 71.225,81.762 71.357,81.762 ; 70.017,89.205 70.669,89.205 71.225,88.649 71.357,88.649 ; v2(70.9,37.209) 71.587,37.209 72.526,38.148 72.526,38.199 ; v2(70.9,44.095) 71.587,44.095 72.526,45.034 72.526,45.086 ; v2(70.9,50.982) 71.587,50.982 72.526,51.921 72.526,51.973 ; v2(70.9,57.869) 71.587,57.869 72.526,58.808 72.526,58.859 ; v2(70.9,64.755) 71.587,64.755 72.526,65.694 ; v2(70.9,71.624) 71.587,71.624 72.526,72.563 72.526,72.615 ; v2(70.9,78.511) 71.587,78.511 72.526,79.45 72.526,79.502 ; v2(70.9,85.398) 71.587,85.398 72.526,86.337 72.526,86.388 ; 71.662,36.244 71.662,36.32 72.475,37.133 73.325,37.133 73.599,36.859 75.061,36.859 75.128,36.926 75.128,37.133 ; 71.662,43.13 71.662,43.206 72.475,44.019 73.322,44.019 73.599,43.742 75.061,43.742 75.128,43.809 75.128,44.019 ; 71.662,50.017 71.662,50.093 72.165,50.595 73.968,50.595 74.162,50.79 75.061,50.79 75.128,50.857 75.128,50.906 ; 71.662,56.903 71.662,56.98 72.165,57.482 74.088,57.482 74.282,57.676 75.061,57.676 75.128,57.743 75.128,57.792 ; 71.662,63.79 71.662,63.866 72.165,64.369 73.968,64.369 74.162,64.563 75.061,64.563 75.128,64.63 75.128,64.679 ; 71.662,70.659 71.662,70.735 72.206,71.279 75.06,71.279 75.127,71.346 75.127,71.548 ; 71.662,77.546 71.662,77.622 72.475,78.435 73.323,78.435 73.599,78.159 75.061,78.159 75.127,78.226 75.127,78.435 ; 71.662,84.432 71.662,84.509 72.206,85.053 75.06,85.053 75.127,85.12 75.127,85.321 ; 71.992,40.079 72.157,40.079 72.909,39.327 75.36,39.327 75.37,39.337 75.797,39.337 75.98,39.52 ; 71.992,46.966 72.157,46.966 72.909,46.214 75.36,46.214 75.37,46.224 75.797,46.224 75.98,46.407 ; 71.992,53.852 72.157,53.852 72.909,53.1 75.36,53.1 75.37,53.11 75.797,53.11 75.98,53.293 ; 71.992,60.739 72.157,60.739 72.909,59.987 75.36,59.987 75.37,59.997 75.797,59.997 75.98,60.18 ; 71.992,67.625 72.157,67.625 72.909,66.873 75.36,66.873 75.37,66.884 75.797,66.884 75.98,67.067 ; 71.992,74.495 72.156,74.495 72.908,73.743 75.36,73.743 75.37,73.753 75.797,73.753 75.98,73.936 ; 71.992,81.381 72.156,81.381 72.908,80.629 75.36,80.629 75.37,80.639 75.797,80.639 75.98,80.822 ; 71.992,88.268 72.156,88.268 72.908,87.516 75.36,87.516 75.37,87.526 75.797,87.526 75.98,87.709 ; 72.593,65.812 72.634,65.771 v1(73.243,65.771) 73.857,65.771 73.974,65.887 73.974,66 ; v1(73.186,40.765) 73.226,40.765 73.287,40.704 73.857,40.704 74.355,40.206 ; v1(73.186,47.651) 73.226,47.651 73.287,47.591 73.857,47.591 74.355,47.093 ; v1(73.186,54.538) 73.226,54.538 73.287,54.477 73.857,54.477 74.355,53.979 ; v1(73.186,61.425) 73.226,61.425 73.287,61.364 73.857,61.364 74.355,60.866 ; v1(73.186,68.311) 73.226,68.311 73.287,68.25 73.857,68.25 74.355,67.752 ; v1(73.186,75.18) 73.226,75.18 73.286,75.12 73.856,75.12 74.354,74.622 ; v1(73.186,82.067) 73.226,82.067 73.286,82.006 73.856,82.006 74.354,81.508 ; v1(73.78,51.049) 73.78,51.089 73.857,51.166 73.857,52.11 73.974,52.227 ; v1(73.779,88.646) 74.03,88.395 74.354,88.395 ; v1(73.78,85.507) 73.78,85.546 73.857,85.623 73.857,86.526 73.973,86.642 ; v1(73.787,37.313) 73.787,37.352 73.857,37.423 73.857,38.337 73.974,38.453 ; v1(73.787,78.613) 73.787,78.653 73.857,78.723 73.857,79.639 73.973,79.756 ; 73.872,36.142 73.897,36.117 75.244,36.117 ; 73.872,43.029 73.897,43.003 75.244,43.003 75.58,43.339 75.659,43.339 75.808,43.488 75.808,44.112 75.946,44.25 v1@75.946,44.298 ; 73.872,49.915 73.897,49.89 75.244,49.89 75.58,50.226 75.659,50.226 75.808,50.375 75.808,50.999 75.946,51.137 v1@75.946,51.206 ; 73.872,56.802 73.897,56.776 75.244,56.776 ; 73.872,63.688 73.897,63.663 75.244,63.663 75.58,63.999 75.659,63.999 75.808,64.148 75.808,64.4 75.927,64.52 75.927,64.929 v1@75.946,64.948 ; 73.872,70.558 73.897,70.532 75.243,70.532 ; 73.872,77.444 73.897,77.419 75.243,77.419 75.579,77.755 75.659,77.755 75.808,77.904 75.808,78.156 75.927,78.276 75.927,78.721 v1@75.946,78.74 ; 73.872,84.331 73.897,84.305 75.243,84.305 ; v1(73.9,44.204) 73.9,45.027 73.977,45.104 ; v1(73.9,57.936) 73.9,58.921 73.977,58.998 ; v1(73.9,71.733) 73.9,72.68 73.977,72.757 ; 75.04,40.663 75.04,40.507 75.128,40.42 75.98,40.42 ; 75.04,47.55 75.04,47.394 75.128,47.307 75.98,47.307 ; 75.04,54.436 75.04,54.281 75.128,54.193 75.98,54.193 ; 75.04,61.323 75.04,61.167 75.128,61.08 75.98,61.08 ; 75.04,68.21 75.04,68.054 75.128,67.967 75.98,67.967 ; 75.04,75.079 75.04,74.923 75.127,74.836 75.98,74.836 ; 75.04,81.965 75.04,81.81 75.127,81.722 75.98,81.722 ; 75.04,88.852 75.04,88.696 75.127,88.609 75.98,88.609 ; 75.218,36.066 75.392,36.24 ; 75.218,42.952 75.256,42.991 ; 75.218,49.839 75.256,49.877 ; 75.218,56.726 75.392,56.9 ; 75.218,63.612 75.256,63.65 ; 75.218,70.481 75.392,70.656 ; 75.218,77.368 75.256,77.406 ; 75.218,84.255 75.392,84.429 ; 75.447,36.294 75.649,36.294 75.808,36.453 75.808,36.888 75.927,37.008 75.927,37.359 v1@75.98,37.412 ; 75.447,56.954 75.649,56.954 75.808,57.112 75.808,57.548 75.927,57.667 75.927,58.018 v1@75.98,58.072 ; 75.447,70.71 75.649,70.71 75.807,70.868 75.807,71.304 75.927,71.423 75.927,71.774 v1@75.98,71.828 ; 75.447,84.483 75.649,84.483 75.807,84.641 75.807,85.077 75.927,85.196 75.927,85.547 v1@75.98,85.601 ; 75.777,38.098 75.958,37.917 76.21,37.917 76.406,37.721 76.418,37.721 76.599,37.539 v2(76.666,37.539) ; 75.777,44.984 75.958,44.804 76.21,44.804 76.406,44.607 76.418,44.607 76.599,44.426 v2(76.666,44.426) ; 75.777,51.871 75.958,51.69 76.21,51.69 76.406,51.494 76.418,51.494 76.599,51.312 v2(76.666,51.312) ; 75.777,58.758 75.958,58.577 76.21,58.577 76.406,58.381 76.418,58.381 76.599,58.199 v2(76.666,58.199) ; 75.777,65.644 75.958,65.464 76.21,65.464 76.406,65.267 76.418,65.267 76.599,65.085 v2(76.666,65.085) ; 75.777,72.513 75.958,72.333 76.21,72.333 76.406,72.136 76.417,72.136 76.599,71.955 v2(76.666,71.955) ; 75.777,79.4 75.958,79.219 76.21,79.219 76.406,79.023 76.417,79.023 76.599,78.841 v2(76.666,78.841) ; 75.777,86.287 75.958,86.106 76.21,86.106 76.406,85.91 76.417,85.91 76.599,85.728 v2(76.666,85.728) ; 75.955,39.419 75.983,39.447 76.714,39.447 v1(76.742,39.419) ; 75.955,46.305 75.983,46.333 76.714,46.333 v1(76.742,46.305) ; 75.955,53.192 75.983,53.22 76.714,53.22 v1(76.742,53.192) ; 75.955,60.078 75.983,60.106 76.714,60.106 v1(76.742,60.078) ; 75.955,66.965 75.983,66.993 76.714,66.993 v1(76.742,66.965) ; 75.955,73.834 75.983,73.862 76.714,73.862 v1(76.742,73.834) ; 75.955,80.721 75.983,80.749 76.714,80.749 v1(76.742,80.721) ; 75.955,87.607 75.983,87.635 76.714,87.635 v1(76.742,87.607) ; v1@75.958,64.936 v1@75.98,64.958 ; v1@75.974,51.179 v1@75.98,51.185 ; v1@75.976,78.71 v1@75.98,78.714 ; v1(77.809,39.012) 